# Altium PCB T1_Card.PcbDoc (part 3 of 6)
Units mil, origin at the board's own origin, x right, y up, seen from the top; angles counter-clockwise.
Board outline 3700.79 x 3582.68 mil, 6 copper layers (Layer 1, Layer 2, Layer 3, Layer 4, Layer 5, Layer 6), stack 65.8 mil thick; 365 components, 265 nets, 1177 pads, 1027 vias.
Unrouted connection lines stored in the file: 4.
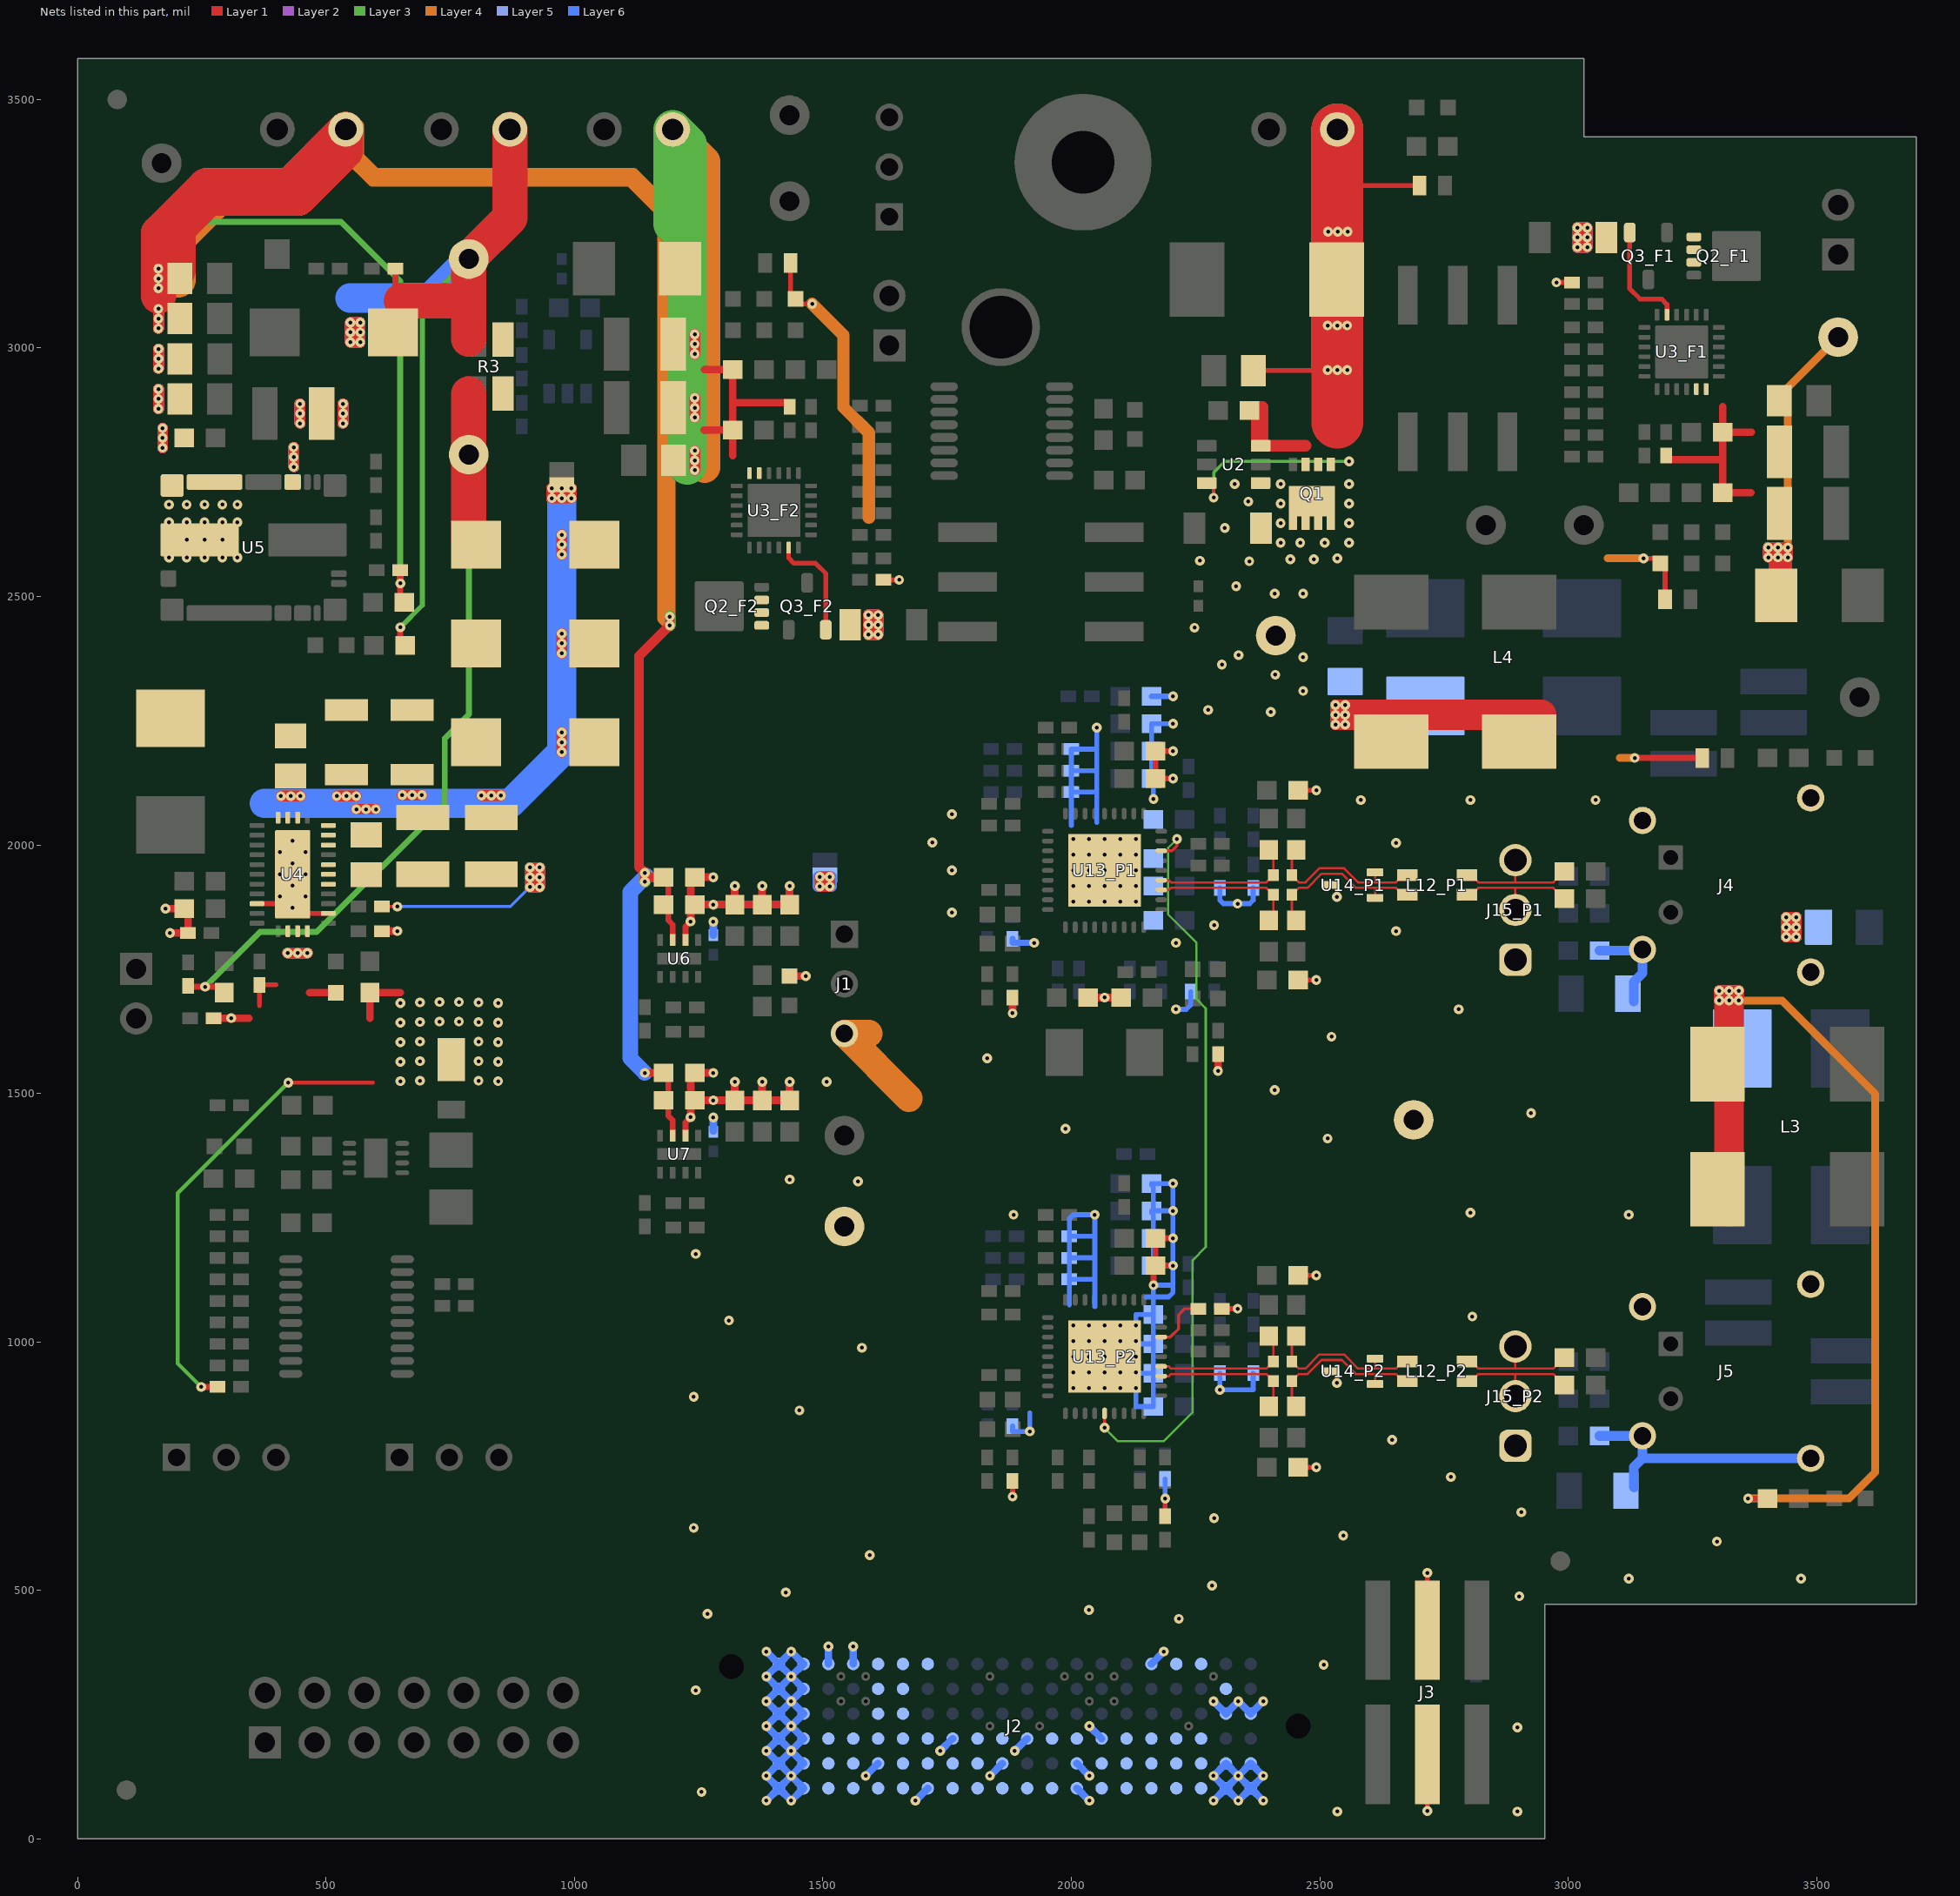
[diagram p7: the nets of this part, all layers, seen from the top]

## Via types
v1: diameter 19.68, hole 7.87, Layer 1 to Layer 6, 982 vias
v2: diameter 19.68, hole 7.87, Layer 1 to Layer 6, tented both sides, 45 vias

## Nets (pads, with @x,y where several pads share a name; then routed paths per layer and width w, separated by ;. In a path a pad name is that pad's centre, name@x,y a point inside that pad or via, vN(x,y) a via of type N, cw(c..) or ccw(c..) an arc to the next point about the centre after c; other vN are vias at no path point) (continued)
5V_out: C26.1 C29.1 C30.1 C31.1 C32.1 C33.1 C34.1 C35.1 C40.1 C41.1 J9.1 R24.2 U5.6 U5.7 U5.8 U6.7 U7.7 | length 9337.7
  Layer 1 w11.81: C40.1@1179.13,1541.34 1188.98,1541.34 1188.98,1454.72 1197.83,1445.87 U7.7@1197.83,1415.35 ; C34.1@1179.13,1935.04 1188.98,1935.04 1188.98,1848.43 1197.83,1839.57 U6.7@1197.83,1809.06
  Layer 1 w12: R24.2@649.61,2553.15 v1(649.61,2526.38) 649.61,2488.19 C26.1@657.48,2488.19
  Layer 1 w15.75: v1(1141.73,1541.34) C40.1@1179.13,1541.34
  Layer 1 w19.68: v1(1141.73,1926.18) v1@1141.73,1935.04 ; C34.1@1179.13,1935.04 v1@1141.73,1935.04 ; v1(1191.93,2459.65) v1(1191.93,2441.93) 1129.92,2379.92 1129.92,1955.71 v1(1141.73,1943.9) v1@1141.73,1935.04
  Layer 1 w21.65: v1(162.76,2877.95) v1(162.76,2897.64) v1(162.76,2917.32) ; v1(162.76,3039.37) v1(162.76,3059.06) v1(162.76,3078.74) ; v1(162.76,3120.08) v1(162.76,3139.76) v1(162.76,3159.45) ; v1(162.83,2958.66) v1(162.83,2978.35) v1(162.83,2998.03) ; v1(171.26,2799.21) v1(171.26,2818.9) v1(171.26,2838.58)
  Layer 1 w70.87: 163.39,3104.33 163.39,3139.76 163.39,3231.3 257.87,3325.79 425.64,3325.79 J9.1@539.85,3440 539.85,3397.14 443.9,3301.18 263.78,3301.18 202.76,3240.16 C33.1@202.76,3156.5
  Layer 2 w19.68: v1(1141.73,1926.18) v1(1141.73,1943.9) ; v1(1191.93,2441.93) v1(1191.93,2459.65)
  Layer 2 w21.65: v1(162.76,2877.95) v1(162.76,2897.64) v1(162.76,2917.32) ; v1(162.76,3039.37) v1(162.76,3059.06) v1(162.76,3078.74) ; v1(162.76,3120.08) v1(162.76,3139.76) v1(162.76,3159.45) ; v1(162.83,2958.66) v1(162.83,2978.35) v1(162.83,2998.03) ; v1(171.26,2799.21) v1(171.26,2818.9) v1(171.26,2838.58)
  Layer 3 w12: v1(162.76,3159.45) 162.76,3230.67 186.02,3253.94 530.51,3253.94 649.61,3134.84 v1(649.61,2526.38)
  Layer 3 w21.65: v1(162.76,2877.95) v1(162.76,2897.64) v1(162.76,2917.32) ; v1(162.76,3039.37) v1(162.76,3059.06) v1(162.76,3078.74) ; v1(162.76,3120.08) v1(162.76,3139.76) v1(162.76,3159.45) ; v1(162.83,2958.66) v1(162.83,2978.35) v1(162.83,2998.03) ; v1(171.26,2799.21) v1(171.26,2818.9) v1(171.26,2838.58)
  Layer 3 w23.62: v1(1141.73,1926.18) v1(1141.73,1943.9) ; v1(1191.93,2441.93) v1(1191.93,2459.65)
  Layer 4 w19.68: v1(1141.73,1926.18) v1(1141.73,1943.9)
  Layer 4 w21.65: v1(162.76,2877.95) v1(162.76,2897.64) v1(162.76,2917.32) ; v1(162.76,3039.37) v1(162.76,3059.06) v1(162.76,3078.74) ; v1(162.76,3120.08) v1(162.76,3139.76) v1(162.76,3159.45) ; v1(162.83,2958.66) v1(162.83,2978.35) v1(162.83,2998.03) ; v1(171.26,2799.21) v1(171.26,2818.9) v1(171.26,2838.58)
  Layer 4 w23.62: J9.1@539.85,3440 539.85,3409.95 564.96,3384.84 ; 543.31,3386.81 593.5,3336.61 1112.2,3336.61 1178.15,3270.67 1178.15,2455.71 v1(1191.93,2441.93) v1(1191.93,2459.65) 1191.93,3277.56 1119.09,3350.39 599.41,3350.39 569.63,3380.17 564.96,3384.84 ; J9.1@556.1,3456.69 564.96,3447.83 564.96,3384.84
  Layer 4 w70.87: 163.39,3109.25 163.39,3230.31 259.84,3326.77 426.63,3326.77 J9.1@539.85,3440 ; 202.76,3136.81 202.76,3222.44 281.5,3301.18 443.9,3301.18 539.85,3397.14 J9.1@539.85,3409.95
  Layer 5 w19.68: v1(1141.73,1926.18) v1(1141.73,1943.9) ; v1(1191.93,2441.93) v1(1191.93,2459.65)
  Layer 5 w21.65: v1(162.76,2877.95) v1(162.76,2897.64) v1(162.76,2917.32) ; v1(162.76,3039.37) v1(162.76,3059.06) v1(162.76,3078.74) ; v1(162.76,3120.08) v1(162.76,3139.76) v1(162.76,3159.45) ; v1(162.83,2958.66) v1(162.83,2978.35) v1(162.83,2998.03) ; v1(171.26,2799.21) v1(171.26,2818.9) v1(171.26,2838.58)
  Layer 6 w19.68: v1(1191.93,2441.93) v1(1191.93,2459.65)
  Layer 6 w21.65: v1(162.76,2877.95) v1(162.76,2897.64) v1(162.76,2917.32) ; v1(162.76,3039.37) v1(162.76,3059.06) v1(162.76,3078.74) ; v1(162.76,3120.08) v1(162.76,3139.76) v1(162.76,3159.45) ; v1(162.83,2958.66) v1(162.83,2978.35) v1(162.83,2998.03) ; v1(171.26,2799.21) v1(171.26,2818.9) v1(171.26,2838.58)
  Layer 6 w31.5: v1(1141.73,1541.34) 1112.2,1570.87 1112.2,1905.51 v1@1144.69,1937.99
  other v1: 219.68,2613.98 255.51,2613.98 291.34,2613.98
  other v2: 183.86,2578.54 219.68,2578.54 255.51,2578.54 291.34,2578.54 321.85,2578.54 183.86,2649.41 219.68,2649.41 255.51,2649.41 291.34,2649.41 321.85,2649.41 183.86,2684.84 219.68,2684.84 255.51,2684.84 291.34,2684.84 321.85,2684.84
11: J2.11
13: J2.13
14: J2.14
15: J2.15
18: J2.18
19: J2.19
20: J2.20
21: J2.21
24: J2.24
24or12V_out: C27.1 C28.1 J8.1 R3.1 R22.2 R23.2 TP5.1 U5.4 | length 3843.6
  Layer 1 w12: C27.1@634.84,3031.5 639.76,3036.42 R23.2@639.76,3159.45 ; v1@649.61,2441.93 649.61,2411.42 R22.2@659.45,2401.57
  Layer 1 w21.65: v1(435.04,2760.83) v1(435.04,2780.51) v1(435.04,2800.2) ; v1(447.83,2848.43) v1(447.83,2868.11) v1(447.83,2887.8) ; v1(534.45,2848.43) v1(534.45,2868.11) v1(534.45,2887.8) ; v1(549.21,3011.81) v1(568.9,3011.81) v1(568.9,3031.5) v1(568.9,3051.18) v1(549.21,3051.18) v1(549.21,3031.5) v1(549.21,3011.81)
  Layer 1 w70.87: 651.57,3094.49 787.4,3094.49 ; 787.4,3017.72 787.4,3094.49 ; J8.1@870,3439.8 870,3261.73 TP5.1@787.4,3179.13 787.4,3094.49
  Layer 2 w21.65: v1(435.04,2760.83) v1(435.04,2780.51) v1(435.04,2800.2) ; v1(447.83,2848.43) v1(447.83,2868.11) v1(447.83,2887.8) ; v1(534.45,2848.43) v1(534.45,2868.11) v1(534.45,2887.8) ; v1(549.21,3011.81) v1(568.9,3011.81) v1(568.9,3031.5) v1(568.9,3051.18) v1(549.21,3051.18) v1(549.21,3031.5) v1(549.21,3011.81)
  Layer 3 w10: v1(649.61,2437.99) 693.9,2482.28 693.9,3085.63 TP5.1@787.4,3179.13
  Layer 3 w21.65: v1(435.04,2760.83) v1(435.04,2780.51) v1(435.04,2800.2) ; v1(447.83,2848.43) v1(447.83,2868.11) v1(447.83,2887.8) ; v1(534.45,2848.43) v1(534.45,2868.11) v1(534.45,2887.8) ; v1(549.21,3011.81) v1(549.21,3031.5) v1(549.21,3051.18) v1(568.9,3051.18) v1(568.9,3031.5) v1(568.9,3011.81) v1(549.21,3011.81)
  Layer 3 w62.99: TP5.1@787.4,3179.13 870,3261.73 J8.1@870,3439.8
  Layer 4 w21.65: v1(435.04,2760.83) v1(435.04,2780.51) v1(435.04,2800.2) ; v1(447.83,2848.43) v1(447.83,2868.11) v1(447.83,2887.8) ; v1(534.45,2848.43) v1(534.45,2868.11) v1(534.45,2887.8) ; v1(549.21,3011.81) v1(568.9,3011.81) v1(568.9,3031.5) v1(568.9,3051.18) v1(549.21,3051.18) v1(549.21,3031.5) v1(549.21,3011.81)
  Layer 5 w21.65: v1(435.04,2760.83) v1(435.04,2780.51) v1(435.04,2800.2) ; v1(447.83,2848.43) v1(447.83,2868.11) v1(447.83,2887.8) ; v1(534.45,2848.43) v1(534.45,2868.11) v1(534.45,2887.8) ; v1(549.21,3011.81) v1(568.9,3011.81) v1(568.9,3031.5) v1(568.9,3051.18) v1(549.21,3051.18) v1(549.21,3031.5) v1(549.21,3011.81)
  Layer 6 w21.65: v1(435.04,2760.83) v1(435.04,2780.51) v1(435.04,2800.2) ; v1(447.83,2848.43) v1(447.83,2868.11) v1(447.83,2887.8) ; v1(534.45,2848.43) v1(534.45,2868.11) v1(534.45,2887.8) ; v1(549.21,3011.81) v1(549.21,3031.5) v1(549.21,3051.18) v1(568.9,3051.18) v1(568.9,3031.5) v1(568.9,3011.81) v1(549.21,3011.81)
  Layer 6 w59.06: 548.23,3100.39 708.66,3100.39 TP5.1@787.4,3179.13 870,3261.73 J8.1@870,3439.8
24V12Vout: C16.1 C17.1 C18.1 C19.1 C20.1 C21.1 C22.1 L7.2 R3.2 R15.2 TP4.1 | length 1730.3
  Layer 1 w12: R15.2@222.44,1716.54 224.41,1714.57 v1(256.89,1714.57) 283.46,1714.57 C16.1@295.28,1702.76
  Layer 1 w70.87: C19.1@787.4,2613.19 787.4,2907.48
  Layer 3 w12: v1(256.89,1714.57) 367.13,1824.8 481.3,1824.8 739.17,2082.68 739.17,2214.57 787.4,2262.8 TP4.1@787.4,2785.43
25: J2.25
26: J2.26
27: J2.27
31: J2.31
32: J2.32
33: J2.33
37: J2.37
38: J2.38
45: J2.45
48V_Supply_In: C6.1 C8.2 D1.2 D28.2 J6.1 Q1.1 Q1.2 Q1.3 U2.3 U2.6 | length 3035.1
  Layer 1 w5.91: U2.3@2272.64,2728.35 2286.42,2728.35 v1(2286.42,2698.86)
  Layer 1 w9.84: C6.1@2366.77,2954.72 2534.19,2954.72 2534.19,2955.71 2534.19,3045.28 D1.2@2534.19,3137.8 2534.19,3234.25 v1@2535.27,3235.33 ; 2535.27,3326.77 D28.2@2700.79,3326.77
  Layer 1 w21.65: v1(2515.75,2955.71) 2534.19,2955.71 2535.27,2955.71 v1(2535.43,2955.71) v1(2555.12,2955.71) ; v1(2515.75,3045.28) 2534.19,3045.28 2535.27,3045.28 v1(2535.43,3045.28) v1(2555.12,3045.28) ; v1(2516.73,3234.25) 2534.19,3234.25 2535.27,3234.25 v1(2536.42,3234.25) v1(2556.1,3234.25)
  Layer 1 w23.62: 2471.46,2803.15 U2.6@2384.84,2803.15 ; U2.6@2384.84,2803.15 2384.84,2880.91 2373.03,2880.91 2373.03,2803.15 U2.6@2380.91,2803.15 U2.6@2384.84,2803.15
  Layer 1 w104.33: 2535.27,2849.41 2535.27,2955.71 2535.27,3045.28 2535.27,3234.25 2535.27,3235.33 2535.27,3326.77 J6.1@2535.27,3440
  Layer 2 w21.65: v1(2515.75,2955.71) v1(2535.43,2955.71) v1(2555.12,2955.71) ; v1(2515.75,3045.28) v1(2535.43,3045.28) v1(2555.12,3045.28) ; v1(2516.73,3234.25) v1(2536.42,3234.25) v1(2556.1,3234.25)
  Layer 3 w6: v1(2286.42,2698.86) 2286.42,2749.51 2308.56,2771.65 v1(2559.06,2771.65)
  Layer 3 w21.65: v1(2515.75,2955.71) v1(2535.43,2955.71) v1(2555.12,2955.71) ; v1(2515.75,3045.28) 2535.27,3045.28 v1(2535.43,3045.28) v1(2555.12,3045.28) ; v1(2516.73,3234.25) 2535.27,3234.25 v1(2536.42,3234.25) v1(2556.1,3234.25)
  Layer 3 w104.33: v1@2535.27,2959.65 2535.27,3045.28 2535.27,3234.25 J6.1@2535.27,3440
  Layer 4 w21.65: v1(2515.75,2955.71) v1(2535.43,2955.71) v1(2555.12,2955.71) ; v1(2515.75,3045.28) v1(2535.43,3045.28) v1(2555.12,3045.28) ; v1(2516.73,3234.25) v1(2536.42,3234.25) v1(2556.1,3234.25)
  Layer 5 w21.65: v1(2515.75,2955.71) v1(2535.43,2955.71) v1(2555.12,2955.71) ; v1(2515.75,3045.28) v1(2535.43,3045.28) v1(2555.12,3045.28) ; v1(2516.73,3234.25) v1(2536.42,3234.25) v1(2556.1,3234.25)
  Layer 6 w21.65: v1(2515.75,2955.71) v1(2535.43,2955.71) v1(2555.12,2955.71) ; v1(2515.75,3045.28) v1(2535.43,3045.28) v1(2555.12,3045.28) ; v1(2516.73,3234.25) v1(2536.42,3234.25) v1(2556.1,3234.25)
48V_Vin: C3.1 C7.1 C9_F1.1 C9_F2.1 C23.1 C24.1 C25.1 D4.2 D5.2 D6_F1.1 D6_F2.1 D8_F1.2 D8_F2.2 D14.1 D29.2 L4.2 Q1.5 Q1.6 Q1.7 Q1.8 Q1.9 Q2_F1.1 Q2_F1.2 Q2_F1.3 Q2_F2.1 Q2_F2.2 Q2_F2.3 Q3_F1.2 Q3_F2.2 R4.2 R10_F1.2 R10_F2.2 R16.2 R17.2 TP3.1 U2.4 U3_F1.5 U3_F2.5 U4.20 U4.21 U4.22 | length 6101.3
  Layer 1 w5.91: R17.2@612.2,1875.98 v1(643.7,1875.98)
  Layer 1 w8: v1(424.21,1521.65) 594.49,1521.65
  Layer 1 w9.45: U3_F2.5@1431.1,2598.43 1431.1,2577.76 1441.93,2566.93 1485.24,2566.93 1505.91,2546.26 Q3_F2.2@1505.91,2433.07 ; Q3_F1.2@3124.02,3232.28 3124.02,3119.09 3144.69,3098.43 3187.99,3098.43 3198.82,3087.6 U3_F1.5@3198.82,3066.93
  Layer 1 w10: D6_F2.1@1435.04,3171.26 1435.04,3088.58 v1(1478.35,3088.58) ; R10_F2.2@1622.05,2533.46 v1(1653.54,2533.46) ; v1(2976.38,3131.89) R10_F1.2@3007.87,3131.89 ; v1(3151.57,2576.77) 3194.88,2576.77 D6_F1.1@3194.88,2494.09
  Layer 1 w11.81: v1(249.02,909.45) R4.2@281.5,909.45 ; v1(3133.86,2175.2) D29.2@3269.69,2175.2
  Layer 1 w15: 588.58,1651.57 R16.2@588.58,1702.76 649.61,1702.76
  Layer 1 w21.65: v1(910.43,1915.35) v1(910.43,1935.04) v1(910.43,1954.72) v1(930.12,1954.72) v1(930.12,1935.04) v1(930.12,1915.35) v1(910.43,1915.35) ; v1(1591.54,2423.23) v1(1591.54,2442.91) v1(1591.54,2462.6) v1(1611.22,2462.6) v1(1611.22,2442.91) v1(1611.22,2423.23) v1(1591.54,2423.23) ; v1(2531.5,2242.13) v1(2551.18,2242.13) v1(2551.18,2261.81) v1(2551.18,2281.5) v1(2531.5,2281.5) v1(2531.5,2261.81) v1(2531.5,2242.13) ; v1(3018.7,3202.76) v1(3038.39,3202.76) v1(3038.39,3222.44) v1(3038.39,3242.13) v1(3018.7,3242.13) v1(3018.7,3222.44) v1(3018.7,3202.76)
  Layer 1 w55.12: D5.2@2598.43,2192.19 D5.2@2643.7,2192.19
  Layer 1 w61.02: v1(2551.18,2261.81) D4.2@2945.87,2261.81
  Layer 2 w21.65: v1(910.43,1915.35) v1(910.43,1935.04) v1(910.43,1954.72) v1(930.12,1954.72) v1(930.12,1935.04) v1(930.12,1915.35) v1(910.43,1915.35) ; v1(1591.54,2423.23) v1(1611.22,2423.23) v1(1611.22,2442.91) v1(1611.22,2462.6) v1(1591.54,2462.6) v1(1591.54,2442.91) v1(1591.54,2423.23) ; v1(2531.5,2242.13) v1(2531.5,2261.81) v1(2531.5,2281.5) v1(2551.18,2281.5) v1(2551.18,2261.81) v1(2551.18,2242.13) v1(2531.5,2242.13) ; v1(3018.7,3202.76) v1(3038.39,3202.76) v1(3038.39,3222.44) v1(3038.39,3242.13) v1(3018.7,3242.13) v1(3018.7,3222.44) v1(3018.7,3202.76)
  Layer 3 w8: v1(249.02,909.45) 201.77,956.69 201.77,1299.21 v1(424.21,1521.65)
  Layer 3 w21.65: v1(910.43,1915.35) v1(910.43,1935.04) v1(910.43,1954.72) v1(930.12,1954.72) v1(930.12,1935.04) v1(930.12,1915.35) v1(910.43,1915.35) ; v1(1591.54,2423.23) v1(1591.54,2442.91) v1(1591.54,2462.6) v1(1611.22,2462.6) v1(1611.22,2442.91) v1(1611.22,2423.23) v1(1591.54,2423.23) ; v1(2531.5,2242.13) v1(2551.18,2242.13) v1(2551.18,2261.81) v1(2551.18,2281.5) v1(2531.5,2281.5) v1(2531.5,2261.81) v1(2531.5,2242.13) ; v1(3018.7,3202.76) v1(3038.39,3202.76) v1(3038.39,3222.44) v1(3038.39,3242.13) v1(3018.7,3242.13) v1(3018.7,3222.44) v1(3018.7,3202.76)
  Layer 4 w15.75: 3079.41,2576.77 v1(3151.57,2576.77) ; 3104.33,2175.2 v1(3133.86,2175.2)
  Layer 4 w21.65: v1(910.43,1915.35) v1(910.43,1935.04) v1(910.43,1954.72) v1(930.12,1954.72) v1(930.12,1935.04) v1(930.12,1915.35) v1(910.43,1915.35) ; v1(1591.54,2423.23) v1(1591.54,2442.91) v1(1591.54,2462.6) v1(1611.22,2462.6) v1(1611.22,2442.91) v1(1611.22,2423.23) v1(1591.54,2423.23) ; v1(2531.5,2242.13) v1(2551.18,2242.13) v1(2551.18,2261.81) v1(2551.18,2281.5) v1(2531.5,2281.5) v1(2531.5,2261.81) v1(2531.5,2242.13) ; v1(3018.7,3202.76) v1(3038.39,3202.76) v1(3038.39,3222.44) v1(3038.39,3242.13) v1(3018.7,3242.13) v1(3018.7,3222.44) v1(3018.7,3202.76)
  Layer 4 w25: v1(1478.35,3088.58) 1541.34,3025.59 1541.34,2880.91 1592.52,2829.72 1592.52,2658.46
  Layer 5 w21.65: v1(910.43,1915.35) v1(910.43,1935.04) v1(910.43,1954.72) v1(930.12,1954.72) v1(930.12,1935.04) v1(930.12,1915.35) v1(910.43,1915.35) ; v1(1591.54,2423.23) v1(1591.54,2442.91) v1(1591.54,2462.6) v1(1611.22,2462.6) v1(1611.22,2442.91) v1(1611.22,2423.23) v1(1591.54,2423.23) ; v1(2531.5,2242.13) v1(2551.18,2242.13) v1(2551.18,2261.81) v1(2551.18,2281.5) v1(2531.5,2281.5) v1(2531.5,2261.81) v1(2531.5,2242.13) ; v1(3018.7,3202.76) v1(3038.39,3202.76) v1(3038.39,3222.44) v1(3038.39,3242.13) v1(3018.7,3242.13) v1(3018.7,3222.44) v1(3018.7,3202.76)
  Layer 6 w5.91: v1(643.7,1875.98) 871.06,1875.98 v1(910.43,1915.35)
  Layer 6 w21.65: v1(910.43,1915.35) v1(910.43,1935.04) v1(910.43,1954.72) v1(930.12,1954.72) v1(930.12,1935.04) v1(930.12,1915.35) v1(910.43,1915.35) ; v1(1591.54,2423.23) v1(1591.54,2442.91) v1(1591.54,2462.6) v1(1611.22,2462.6) v1(1611.22,2442.91) v1(1611.22,2423.23) v1(1591.54,2423.23) ; v1(2531.5,2242.13) v1(2551.18,2242.13) v1(2551.18,2261.81) v1(2551.18,2281.5) v1(2531.5,2281.5) v1(2531.5,2261.81) v1(2531.5,2242.13) ; v1(3018.7,3202.76) v1(3038.39,3202.76) v1(3038.39,3222.44) v1(3038.39,3242.13) v1(3018.7,3242.13) v1(3018.7,3222.44) v1(3018.7,3202.76)
  other v1: 649.61,1524.61 846.46,1524.61 688.98,1525.59 807.09,1525.59 649.61,1563.98 846.46,1563.98 688.98,1564.96 807.09,1564.96 649.61,1603.35 846.46,1603.35 688.98,1604.33 807.09,1604.33 649.61,1642.72 846.46,1642.72 688.98,1643.7 807.09,1643.7 728.35,1644.69 767.72,1644.69 649.61,1682.09 846.46,1682.09 688.98,1683.07 807.09,1683.07 728.35,1684.06 767.72,1684.06 2466.54,2310.04 2410.43,2342.52 2303.15,2363.19 2466.54,2377.95 2336.61,2381.89 2248.03,2437.01 2409.45,2505.91 2466.54,2505.91 2331.69,2520.67 2358.27,2570.87 2258.86,2571.85 2440.94,2574.8 2488.19,2574.8 2535.43,2576.77 2421.26,2608.27 2460.63,2608.27 2509.84,2608.27 2559.06,2608.27 2309.06,2637.8 2421.26,2647.64 2559.06,2647.64 2421.26,2687.01 2559.06,2687.01 2356.3,2690.94 2328.74,2726.38 2421.26,2726.38 2559.06,2726.38
48V_VOUT1: C2.1 C10_F1.1 C11_F1.1 C12_F1.1 D2.1 D3.1 D9_F1.1 L3.4 R6_F1.1 R7_F1.2 R9_F1.2 R109.2 TP9.1 U3_F1.17 U3_F1.18 | length 4965
  Layer 1 w11.81: v1(3362.2,685.04) R109.2@3401.57,685.04
  Layer 1 w15: R9_F1.2@3196.85,2783.46 3204.72,2775.59 3310.04,2775.59 3311.02,2776.57 ; 3311.02,2881.89 R7_F1.2@3311.02,2830.71 ; 3368.11,2708.66 R6_F1.1@3311.02,2708.66 3311.02,2776.57 ; 3369.09,2830.71 R7_F1.2@3311.02,2830.71 ; 3311.02,2776.57 R7_F1.2@3311.02,2830.71
  Layer 1 w21.65: v1(3304.13,1687.01) v1(3304.13,1706.69) v1(3323.82,1706.69) v1(3343.5,1706.69) v1(3343.5,1687.01) v1(3323.82,1687.01) v1(3304.13,1687.01) ; v1(3402.56,2578.74) v1(3422.24,2578.74) v1(3441.93,2578.74) v1(3441.93,2598.43) v1(3422.24,2598.43) v1(3402.56,2598.43) v1(3402.56,2578.74) ; v1(3438.98,1814.96) v1(3438.98,1834.65) v1(3438.98,1854.33) v1(3458.66,1854.33) v1(3458.66,1834.65) v1(3458.66,1814.96) v1(3438.98,1814.96)
  Layer 1 w47.24: D9_F1.1@3426.77,2501.97 v1@3426.77,2581.69
  Layer 1 w60: D2.1@3300.45,1307.09 D2.1@3323.82,1283.72 ; D2.1@3323.82,1262.8 D2.1@3323.82,1283.72 ; v1(3323.82,1687.01) D2.1@3323.82,1283.72